# Allegro board ad-fmcmotcon1-ebz_layout.brd (continued)
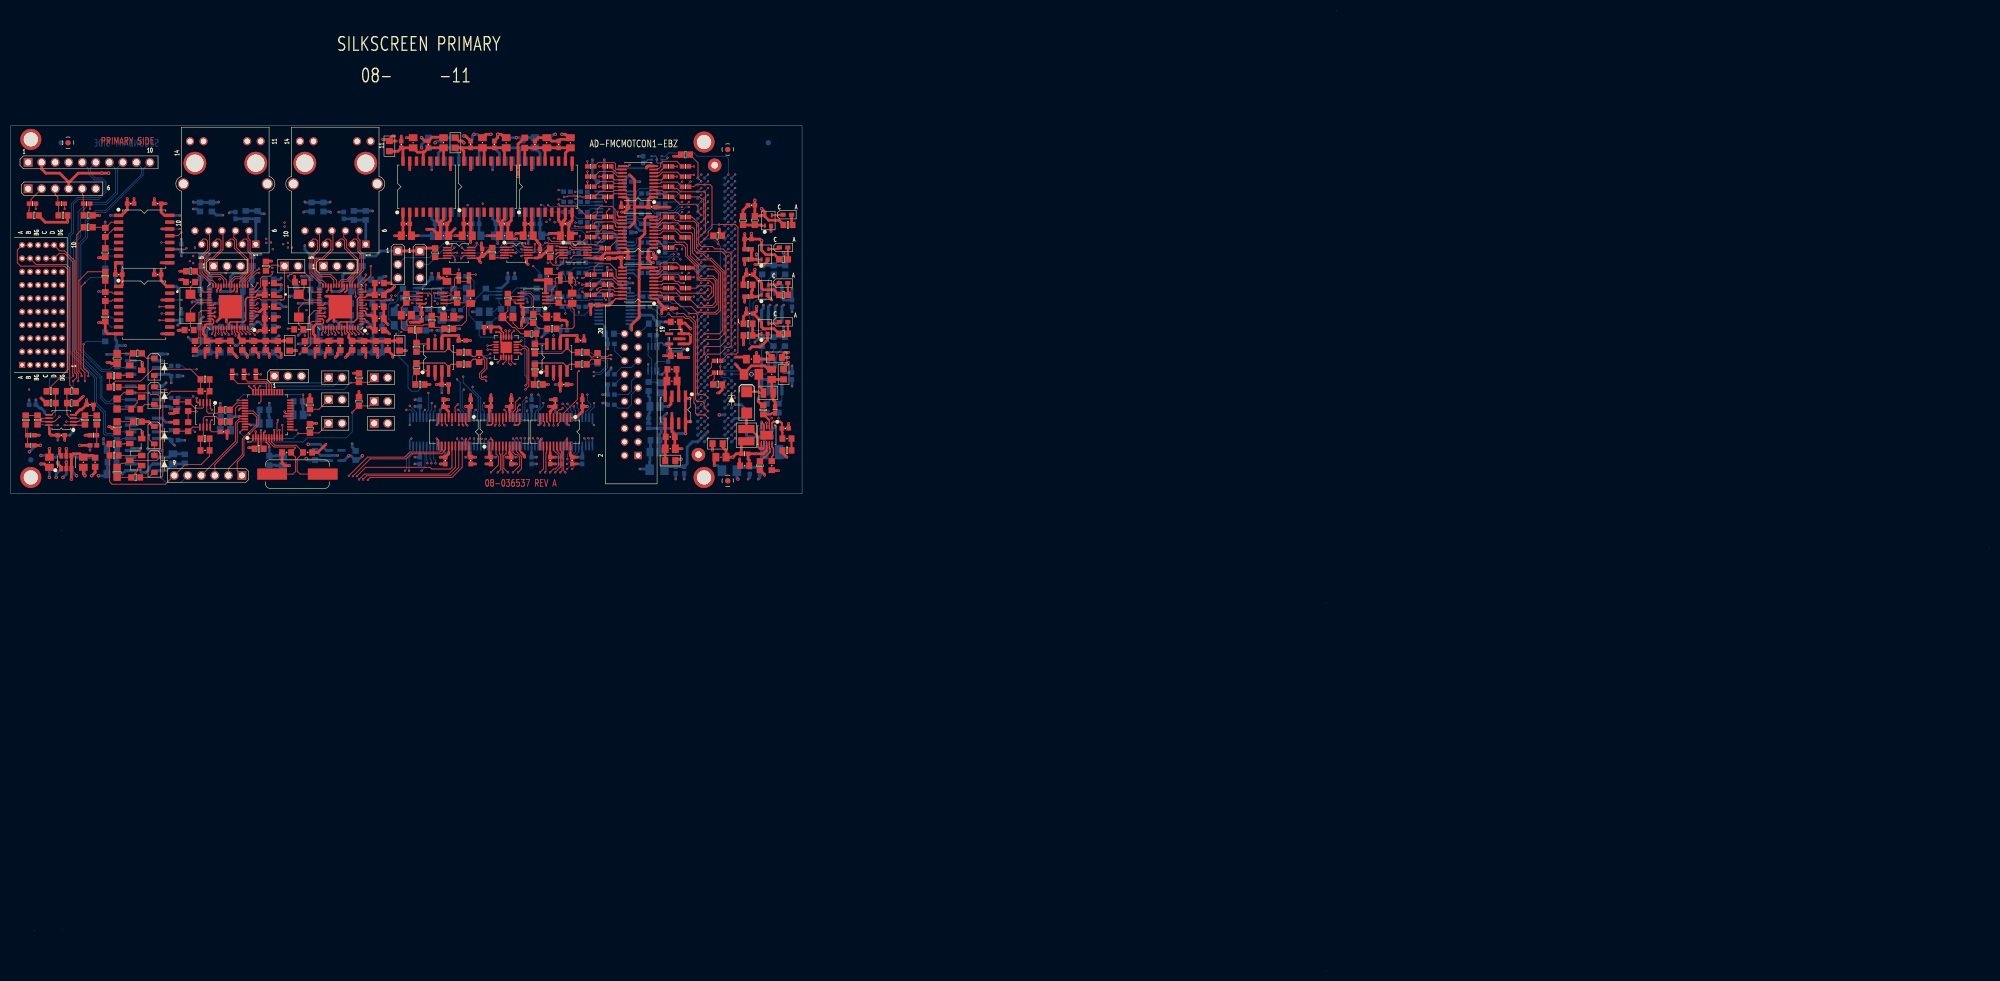
[diagram p0: board, top side]
## Routing (per net, layer and track width the routed paths; a pad name or vN(x,y) marks a point on that pad's centre or on a via; arc(x,y) is an arc through that point) (continued)
FMC_SCL: length 31
  BOTTOM w0.152: P1.C30 141.61,111.98 142.21,112.59 U27.6 142.21,114.81 142.53,115.13 142.53,115.76 143.17,116.4 R192.2 143.12,117.26 142.21,118.16 142.21,119.57 141.58,120.21 139.67,120.21 139.36,120.52 139.36,125.29 139.99,125.92 141.62,125.92 142.21,126.52 U32.6 142.21,129.76 143.18,130.72 R12.2
FMC_SDA: length 32.6
  BOTTOM w0.152: R26.2 140.94,130.59 U32.5 140.94,127.04 140.46,126.56 139.04,126.56 138.72,126.24 138.72,117.67 139.13,117.26 R196.2 141.01,116.5 140.94,116.43 U27.5 140.94,112.86 140.67,112.59 133.64,112.59 133.32,112.27 133.32,111.63 133.64,111.32 134.71,111.32 P1.C31
FMC_SENSOR_A: length 19.2
  TOP w0.152: R18.1 124.16,135.76 124.75,136.36 126.06,136.36 126.67,135.75 126.67,134.18 127.48,133.38 127.49,133.38 127.76,133.1 127.76,133.09 128.43,132.42 128.44,132.42 128.83,132.04 128.83,130.1 129.29,129.63 131.09,129.63 131.92,128.8 131.92,126.74 131.1,125.92 130.32,125.92 v1(129.63,126.62)
  BOTTOM w0.152: P1.H19 v1(129.63,126.62)
FMC_SENSOR_B: length 21.8
  TOP w0.152: v1(129.63,125.35) 130.1,124.88 131.65,124.88 132.25,125.49 132.25,129.53 131.83,129.96 129.43,129.96 129.16,130.23 129.16,132.17 128.58,132.75 128.56,132.75 127,134.32 127,136.25 126.47,136.78 125.04,136.78 124.16,137.67 R5.1
  BOTTOM w0.152: P1.H20 v1(129.63,125.35)
FMC_SENSOR_C: length 22.6
  TOP w0.152: v1(129.63,122.81) 130.1,123.28 132.52,123.28 133.25,124 133.25,130.95 131.92,132.27 129.58,132.27 127.61,134.24 127.61,137.29 127.23,137.67
  BOTTOM w0.152: P1.H22 v1(129.63,122.81)
FMC_SPI1_MISO: length 7.5
  TOP w0.152: v1(130.9,126.62) 131.59,127.32 131.59,128.29 131.31,128.57 129.13,128.57 128.7,128.14 R58.1
  BOTTOM w0.152: P1.G19 v1(130.9,126.62)
FMC_SPI1_MOSI: length 8.4
  TOP w0.152: v1(130.9,127.89) 130.2,127.19 125.7,127.19 125.46,127.43 125.45,127.43 125.27,127.61 125.27,127.62 124.75,128.14 R54.1
  BOTTOM w0.152: P1.G18 v1(130.9,127.89)
FMC_SPI1_SCK: length 18.7
  TOP w0.152: v1(126.34,129.1) 125.7,129.1 125.39,129.41 124.75,129.41 R55.1
  L4_SIGV w0.152: v1(130.9,116.46) 130.13,117.22 129.01,117.22 128.71,117.51 128.71,123.23 126.97,124.97 126.97,128.46 v1(126.34,129.1)
  BOTTOM w0.152: P1.G27 v1(130.9,116.46)
FMC_SPI1_SEL1_RDC: length 20.2
  TOP w0.152: R59.1 127.44,130.19 v1(128.23,130.19)
  L4_SIGV w0.152: v1(130.9,115.19) 131.42,115.71 131.42,117.98 131.17,118.24 129.55,118.24 129.04,118.75 129.04,123.53 127.29,125.29 127.29,129.26 v1(128.23,130.19)
  BOTTOM w0.152: P1.G28 v1(130.9,115.19)
FMC_VBUS_CLK: length 16.9
  TOP w0.152: v1(129.63,136.78) 130.91,138.07 130.91,138.75 131.63,139.47 131.63,147.23 131.29,147.57 128.63,147.57 128.24,147.19 R15.1
  BOTTOM w0.152: P1.H11 v1(129.63,136.78)
FMC_VBUS_DAT: length 32.7
  TOP w0.152: R17.1 v1(128.24,151)
  L4_SIGV w0.152: v1(128.24,151) 127.61,151.64 123.48,151.64 122.53,150.69 122.53,141.16 127.93,135.76 127.93,133.22 128.81,132.34 128.81,129.98 v1(129.63,129.16)
  BOTTOM w0.152: P1.H17 v1(129.63,129.16)
GPI1: length 57.6
  TOP w0.152: R45.1 111.38,139.64 110.57,138.82 108.72,138.82 108.58,138.68 v1(108.18,138.68) ; U6.17 v1(91.73,102.36)
  L4_SIGV w0.152: v1(91.73,102.36) 93.26,103.89 99.84,103.89 103.46,107.51 104.75,107.51 107.61,110.36 107.61,112.9 109.7,115 109.7,118.87 113.96,123.13 113.96,131.38 109.47,135.87 109.47,137.26 108.47,138.27 108.47,138.4 v1(108.18,138.68)
GPI1_ISO: length 112.9
  TOP w0.152: U6.4 91.73,97.03 91.92,96.84 91.92,94.04 v1(91.41,93.54)
  L5_SIGH w0.152: v1(91.41,93.54) 91.1,93.22 91.1,92.9 89.83,91.63 68.24,91.63 66.4,93.47 47.98,93.47 46.01,95.44 24.8,95.44 20.8,99.44 20.8,115.89 16.8,119.89 7.98,119.89 P2.C4
GPI2: length 59.4
  TOP w0.152: R33.1 106.6,139.64 106.49,139.75 v1(105.89,139.75) ; v1(92.68,102.36) 92.37,102.68 U6.16
  L4_SIGV w0.152: v1(92.68,102.36) 93.7,103.38 99.8,103.38 103.48,107.06 104.94,107.06 107.92,110.05 107.92,112.59 110.08,114.74 110.08,118.75 114.27,122.94 114.27,131.7 113,132.97 113,134.24 108.94,138.3 108.94,138.68 107.8,139.83 106.38,139.83 106.3,139.75 v1(105.89,139.75)
GPI2_ISO: length 112.5
  TOP w0.152: v1(92.37,93.54) 92.37,93.93 92.24,94.06 92.24,97.03 92.37,97.16 U6.5
  L5_SIGH w0.152: P2.D4 9.16,120.21 16.92,120.21 21.18,115.94 21.18,99.69 25.12,95.76 46.33,95.76 48.23,93.85 66.65,93.85 68.55,91.95 89.51,91.95 90.78,93.22 90.78,93.85 91.1,94.17 91.73,94.17 v1(92.37,93.54)
GPI3: length 28.2
  TOP w0.152: v1(92.68,105.28) 93,104.97 U6.15
  L4_SIGV w0.152: v1(104.08,125.64) 102.53,124.09 102.53,117.16 94.46,109.09 94.46,106.43 93.32,105.28 v1(92.68,105.28)
  BOTTOM w0.152: v1(104.08,125.64) 103.99,125.73 103.99,126.11 103.54,126.56 R244.1
GPI3_ISO: length 119.6
  TOP w0.152: U6.6 93,97.09 92.56,96.65 92.56,94.3 v1(93.32,93.54)
  L5_SIGH w0.152: v1(93.32,93.54) 92.22,94.63 90.29,94.63 88.24,92.58 69.19,92.58 67.16,94.61 53.51,94.61 52.68,95.44 47.92,95.44 46.96,96.39 26.64,96.39 21.95,101.09 21.95,116.13 20.29,117.78 20.29,123.7 19.02,124.97 7.9,124.97 P2.C6
GPI4: length 26.1
  TOP w0.152: v1(95.54,107.51) 94.72,106.68 94.72,105.32 94.27,104.88 U6.13
  L4_SIGV w0.152: v1(95.54,107.51) 96.4,108.36 96.72,108.36 103.8,115.44 103.8,119.89 106.65,122.75 v1(106.65,123.57)
  BOTTOM w0.152: R249.1 v1(106.65,123.57)
GPI4_ISO: length 119.7
  TOP w0.152: U6.8 94.27,97.32 94.69,96.9 95.03,96.9 95.54,96.39 95.54,94.81 v1(94.27,93.54)
  L5_SIGH w0.152: P2.D6 9.08,125.29 19.34,125.29 22.33,122.3 22.33,102.11 27.72,96.71 47.28,96.71 48.23,95.76 53,95.76 53.76,95 67.41,95 69.51,92.9 87.6,92.9 90.05,95.35 92.46,95.35 v1(94.27,93.54)
GPI5: length 25.5
  TOP w0.152: v1(95.54,106.24) 95.1,105.79 95.1,105.07 94.91,104.88 U6.12
  L4_SIGV w0.152: v1(104.11,123.38) 102.84,122.11 102.84,116.84 94.84,108.84 94.84,106.93 v1(95.54,106.24)
  BOTTOM w0.152: R245.1 104.11,124.02 v1(104.11,123.38)
GPI5_ISO: length 122.7
  TOP w0.152: v1(95.22,93.54) 95.86,94.17 95.86,96.52 94.91,97.47 U6.9
  L5_SIGH w0.152: v1(95.22,93.54) 92.91,95.85 89.29,95.85 86.65,93.22 69.82,93.22 67.67,95.38 54.01,95.38 53.31,96.08 48.55,96.08 47.6,97.03 28.04,97.03 22.71,102.36 22.71,122.36 18.58,126.49 15.21,126.49 14.2,127.51 7.86,127.51 P2.C7
GPO1: length 68.5
  TOP w0.152: v1(102.72,102.36) 102.72,102.64 103.16,103.08 U44.4 ; R46.1 111.86,141.99 111.86,142.49 v1(112.37,143)
  L4_SIGV w0.152: v1(112.37,143) 112.37,142.24 119.23,135.38 119.23,133.03 121.26,131 121.26,121.79 122.21,120.84 122.21,117.03 121.26,116.08 121.26,103.7 118.08,100.52 113.64,100.52 111.04,103.12 103.48,103.12 v1(102.72,102.36)
GPO1_ISO: length 120.7
  TOP w0.152: v1(103.16,93.54) 103.48,93.85 103.48,97.41 103.16,97.73 U44.17
  L4_SIGV w0.152: v1(103.16,93.54) 100.62,91 22.39,91 16.61,96.77 16.61,111.25 15.6,112.27 8.1,112.27 P2.C1
GPO2: length 71.3
  TOP w0.152: v1(103.61,105.59) 103.32,105.3 102.95,105.3 102.53,104.88 U44.5 ; R34.1 108.2,141.54 106.14,143.6 103.13,143.6 v1(102.84,143.89)
  L4_SIGV w0.152: v1(102.84,143.89) 108.05,143.89 117.58,134.37 117.58,132.14 119.35,130.37 119.35,114.49 118.08,113.22 114.27,113.22 113.96,112.9 113.96,107.82 110.78,104.65 104.55,104.65 v1(103.61,105.59)
GPO2_ISO: length 118.3
  TOP w0.152: v1(102.21,93.54) 103.16,94.49 103.16,96.96 102.72,97.41 102.72,97.66 102.53,97.85 U44.16
  L4_SIGV w0.152: v1(102.21,93.54) 99.99,91.31 22.71,91.31 16.99,97.03 16.99,111.38 15.72,112.65 9.22,112.65 P2.D1
GPO3: length 71.6
  TOP w0.152: U44.6 v1(101.89,102.36)
  L4_SIGV w0.152: v1(101.89,102.36) 103.04,103.5 112.56,103.5 113,103.06 118.08,103.06 120.94,105.92 120.94,116.4 121.89,117.35 121.89,120.52 120.94,121.48 120.94,130.68 118.85,132.78 118.85,135 107.61,146.24 v1(105.98,146.24)
  BOTTOM w0.152: R227.1 v1(105.98,146.24)
GPO3_ISO: length 121.1
  TOP w0.152: U44.15 101.89,97.73 102.84,96.77 102.84,94.81 102.21,94.17 101.89,94.17 v1(101.26,93.54)
  L4_SIGV w0.152: P2.C2 8.06,114.81 15.98,114.81 19.15,111.63 19.15,95.63 23.15,91.63 99.35,91.63 v1(101.26,93.54)
GPO4: length 73.4
  TOP w0.152: v1(101.07,102.36) 101.07,102.64 100.62,103.08 U44.8
  L4_SIGV w0.152: v1(102.84,146.56) 104.24,146.56 105.19,145.61 107.61,145.61 118.47,134.75 118.47,132.52 120.62,130.37 120.62,106.87 119.35,105.6 114.27,105.6 112.56,103.89 102.59,103.89 v1(101.07,102.36)
  BOTTOM w0.152: v1(102.84,146.56) 103.48,146.56 R226.1
GPO4_ISO: length 116.4
  TOP w0.152: v1(100.3,93.54) 100.46,93.69 100.46,97.19 100.62,97.35 U44.13
  L4_SIGV w0.152: P2.D2 9.18,115.19 16.1,115.19 19.53,111.76 19.53,97.28 22.58,94.23 44.04,94.23 44.93,93.34 68.11,93.34 69.51,91.95 98.72,91.95 v1(100.3,93.54)
GPO5: length 68
  TOP w0.152: v1(100.18,102.36) 100.18,103 99.99,103.19 U44.9
  L4_SIGV w0.152: v1(106.02,144.91) 107.67,144.91 118.08,134.49 118.08,132.27 120.31,130.05 120.31,109.73 118.72,108.14 114.91,108.14 111.04,104.27 102.08,104.27 v1(100.18,102.36)
  BOTTOM w0.152: v1(106.02,144.91) 106.4,144.91 R228.1
GPO5_ISO: length 119.1
  TOP w0.152: v1(99.35,93.54) 99.99,94.17 U44.12
  L4_SIGV w0.152: P2.C3 8.02,117.35 11.28,117.35 12.29,116.33 15.98,116.33 17.63,114.68 19.28,114.68 19.91,114.05 19.91,97.54 22.83,94.61 44.3,94.61 45.19,93.73 68.36,93.73 69.82,92.27 98.08,92.27 v1(99.35,93.54)
GPO6: length 68.7
  L4_SIGV w0.152: v1(102.84,144.8) 102.21,144.8 101.96,144.55 101.96,143.51 102.21,143.26 108.05,143.26 117.2,134.11 117.2,131.89 119.04,130.05 119.04,116.4 118.4,115.76 114.21,115.76 113.51,115.06 113.51,108.01 110.53,105.03 105,105.03 v1(103.61,106.43)
  BOTTOM w0.152: R241.1 103.33,144.8 v1(102.84,144.8) ; U48.3 104.75,104.97 104.43,105.28 104.43,105.6 v1(103.61,106.43)
GPO6_ISO: length 131.9
  L4_SIGV w0.152: P2.A5 3.4,124.97 18.71,124.97 22.2,121.48 22.2,99.25 24.55,96.9 57.25,96.9 58.39,95.76 69.82,95.76 70.46,95.12 74.9,95.12 75.54,94.49 76.17,94.49 76.49,94.81 77.51,94.81 77.7,94.61 97.51,94.61 98.62,95.72 104.21,95.72 v1(104.5,96.01)
  BOTTOM w0.152: v1(104.5,96.01) 104.5,96.9 104.75,97.16 U48.18
GPO7: length 63.1
  L4_SIGV w0.152: v1(100.89,143.71) 100.89,142.8 101.32,142.37 107.67,142.37 115.42,134.62 115.42,122.43 111.1,118.11 111.1,110.36 106.65,105.92 106.34,105.92 105.83,106.43 v1(104.5,106.43)
  BOTTOM w0.152: U48.4 105.38,104.9 105.13,105.16 105.13,105.79 v1(104.5,106.43) ; v1(100.89,143.71) 101.18,143.43 105.94,143.43 106.93,142.43 R246.1
GPO7_ISO: length 131.2
  L4_SIGV w0.152: v1(104.43,95.12) 103.8,94.49 98.08,94.49 97.83,94.23 77.57,94.23 77.32,94.49 76.81,94.49 76.49,94.17 75.22,94.17 74.65,94.74 70.33,94.74 69.63,95.44 54.52,95.44 53.44,96.52 24.3,96.52 21.82,99 21.82,115.7 19.98,117.54 19.98,123.06 18.39,124.65 4.58,124.65 P2.B5
  BOTTOM w0.152: v1(104.43,95.12) 105.07,95.76 105.07,97.13 105.38,97.45 U48.17
GPO8: length 65
  L4_SIGV w0.152: v1(99.54,143.76) 99.92,144.14 101.45,144.14 101.57,144.02 101.57,143.26 101.88,142.95 107.72,142.95 116.69,133.99 116.69,131.76 117.39,131.06 117.39,123.25 113.64,119.51 113.64,117.09 111.86,115.32 111.86,109.85 110.15,108.14 110.15,106.24 109.32,105.41 106.21,105.41 v1(105.7,105.92)
  BOTTOM w0.152: v1(105.7,105.92) 105.7,105.47 106.02,105.16 U48.5 ; v1(99.54,143.76) 99.95,143.76 101.28,142.43 R242.1
GPO8_ISO: length 139.8
  L4_SIGV w0.152: v1(104.43,94.17) 105.07,93.54 105.64,93.54 105.89,93.79 105.89,96.84 105.38,97.35 98.08,97.35 97.64,96.9 67.54,96.9 66.78,97.66 30.45,97.66 29.18,98.93 24.42,98.93 23.09,100.27 23.09,121.86 18.2,126.75 15.09,126.75 14.33,127.51 3.44,127.51 P2.A6
  BOTTOM w0.152: U48.16 106.02,97.45 105.38,96.81 105.38,95.12 v1(104.43,94.17)
GPO9: length 46.1
  L4_SIGV w0.152: v1(106.34,106.55) 106.34,107.82 110.46,111.95 110.46,118.62 114.59,122.75 114.59,132.02 113.51,133.1 113.51,135.25 108.31,140.46 v1(106.02,140.46)
  BOTTOM w0.152: v1(106.02,140.46) 106.91,140.46 R247.1 ; U48.6 106.65,105.36 106.34,105.68 v1(106.34,106.55)
GPO9_ISO: length 135.6
  L4_SIGV w0.152: P2.B6 4.62,127.19 13.94,127.19 14.9,126.24 18.07,126.24 22.71,121.6 22.71,100.01 24.1,98.62 28.99,98.62 30.33,97.28 66.4,97.28 67.6,96.08 70.02,96.08 70.33,95.76 97.26,95.76 98.4,96.9 104.88,96.9 105.38,96.39 v1(105.38,94.17)
  BOTTOM w0.152: U48.15 106.65,97.45 105.7,96.49 105.7,94.49 v1(105.38,94.17)
GPO10: length 51.8
  L4_SIGV w0.152: v1(102.08,140.51) 102.73,141.16 108.24,141.16 113.89,135.51 113.89,134.49 115.04,133.35 115.04,122.68 110.78,118.43 110.78,110.68 v1(108.24,108.14)
  BOTTOM w0.152: v1(108.24,108.14) 108.24,107 108.88,106.36 108.88,105.82 107.92,104.86 U48.8 ; R243.1 102.97,140.53 102.96,140.51 v1(102.08,140.51)
GPO10_ISO: length 135.8
  L4_SIGV w0.152: P2.A7 3.48,130.05 16.48,130.05 24.1,122.43 24.1,100.52 25.06,99.57 31.85,99.57 32.8,98.62 42.2,98.62 43.41,99.82 47.03,99.82 47.28,99.57 65.89,99.57 67.79,97.66 97.13,97.66 97.76,98.3 106.02,98.3 v1(107.67,99.95)
  BOTTOM w0.152: U48.13 107.92,99.69 v1(107.67,99.95)
GPO11: length 41.6
  L4_SIGV w0.152: v1(109.51,106.55) 109.83,106.87 109.83,108.46 111.48,110.11 111.48,115.44 112.75,116.71 112.75,119.13 116.81,123.19 116.81,128.27 116.18,128.91 v1(116.18,130)
  BOTTOM w0.152: R248.1 106.65,127.83 106.97,128.14 107.42,128.14 109.27,130 v1(116.18,130) ; v1(109.51,106.55) 109.51,105.82 108.56,104.86 U48.9
GPO11_ISO: length 134.7
  L4_SIGV w0.152: v1(108.43,99.95) 106.46,97.98 98.16,97.98 97.46,97.28 67.67,97.28 66.9,98.04 51.59,98.04 50.82,98.81 43.03,98.81 42.27,98.04 30.63,98.04 29.43,99.25 24.74,99.25 23.72,100.27 23.72,122.17 16.17,129.73 4.66,129.73 P2.B7
  BOTTOM w0.152: v1(108.43,99.95) 108.56,99.82 U48.12
HALL_A: length 53.2
  TOP w0.152: v1(105.03,135.69) 105.32,135.4 106.95,135.4 107.04,135.31 U20.9
  L4_SIGV w0.152: v1(105.03,135.69) 104.06,136.65 102.08,136.65 99.03,133.6 99.03,132.33 88.24,121.54 88.24,108.78 86.91,107.44 83.92,107.44 82.91,106.43 82.91,105.66 82.65,105.41 81.76,105.41 81.25,105.92 v1(79.67,105.92)
  BOTTOM w0.152: U41.18 79.35,104.86 79.67,105.18 v1(79.67,105.92)
HALL_A_IN: length 115.6
  TOP w0.152: R181.2 v1(4.74,143)
  L5_SIGH w0.152: v1(4.74,143) 7.05,143 7.62,142.43 11.72,142.43 23.09,131.06 23.09,104.27 29.95,97.41 71.22,97.41 74.27,94.36 78.84,94.36 v1(79.73,95.25)
  BOTTOM w0.152: U41.3 79.35,96.15 79.73,95.77 v1(79.73,95.25)
HALL_B: length 43.8
  TOP w0.152: U25.9 95.99,135.31 v1(95.86,135.45)
  L4_SIGV w0.152: v1(95.86,135.45) 96.49,134.81 96.49,130.3 87.86,121.67 87.86,109.92 86.91,108.97 85.83,108.97 85.19,108.33 84.3,108.33 82.52,106.55 v1(79.03,106.55)
  BOTTOM w0.152: U41.17 78.71,104.97 79.03,105.28 v1(79.03,106.55)
HALL_B_IN: length 109.6
  TOP w0.152: R182.2 v1(10.13,143)
  L5_SIGH w0.152: v1(10.13,143) 11.79,143 23.47,131.32 23.47,104.65 30.14,97.98 42.84,97.98 43.54,98.68 46.96,98.68 47.85,97.79 71.35,97.79 73.51,95.63 77.06,95.63 77.95,94.74 78.46,94.74 v1(78.97,95.25)
  BOTTOM w0.152: U41.4 78.71,96.02 78.97,95.77 v1(78.97,95.25)
HALL_C: length 41.1
  TOP w0.152: v1(84.68,135.76) 85.19,135.25 85.39,135.25 85.4,135.25 U21.9
  L4_SIGV w0.152: v1(78.4,108.46) 79.03,109.09 82.52,109.09 83.16,109.73 83.16,128.46 81.25,130.37 81.25,133.86 82.21,134.81 83.1,134.81 83.54,135.25 84.18,135.25 v1(84.68,135.76)
  BOTTOM w0.152: v1(78.4,108.46) 78.4,105.22 78.08,104.9 U41.16
HALL_C_IN: length 104.4
  TOP w0.152: R183.2 v1(14.9,143)
  L5_SIGH w0.152: v1(78.21,95.25) 76.37,97.09 72.94,97.09 71.86,98.17 55.09,98.17 54.2,99.06 46.84,99.06 45.82,100.08 41.88,100.08 41.5,100.46 28.42,100.46 23.85,105.03 23.85,131.57 14.9,140.53 v1(14.9,143)
  BOTTOM w0.152: U41.5 78.08,95.91 78.21,95.78 v1(78.21,95.25)
HALL_DIFF_A: length 37.4
  TOP w0.152: v1(102.34,132.97) 102.34,133.73 102.82,134.22 102.95,134.22 103.04,134.31 U20.4
  L4_SIGV w0.152: v1(88.87,106.55) 88.87,106.95 89.67,107.74 89.67,109.25 90.46,110.05 90.46,111.19 97.76,118.49 97.76,125.6 101.7,129.54 101.7,132.33 v1(102.34,132.97)
  BOTTOM w0.152: v1(88.87,106.55) 88.59,106.27 88.59,105.32 88.87,105.03 U42.18
HALL_DIFF_A_ISO: length 61.8
  L5_SIGH w0.152: v1(89.15,99.82) 86.87,97.54 73.51,97.54 71.6,99.44 47.09,99.44 46.01,100.52 41.88,100.52 41.25,101.16 v1(34.58,101.16)
  BOTTOM w0.152: U42.3 88.87,99.54 v1(89.15,99.82) ; R141.1 34.26,101.47 v1(34.58,101.16)
HALL_DIFF_A_N: length 66.7
  BOTTOM w0.152: 13.44,151.76 14.58,150.62 14.58,149.6 15.72,148.46 16.99,148.46 17.5,147.95 17.5,146.24 16.42,145.16 12.55,145.16 11.4,144.02 11.4,138.68 10.9,138.18 10.9,116.15 15.72,111.33 15.72,106.43 17.44,104.71 17.44,100.84 17.75,100.52 19.08,100.52 19.93,99.67 R146.2 20.79,99.67 21.01,99.89 U22.1
HALL_DIFF_A_P: length 65.9
  BOTTOM w0.152: U22.2 20.61,101.16 20.4,101.37 R146.1 19.88,101.37 19.34,100.84 18.01,100.84 17.75,101.09 17.75,104.9 16.13,106.53 16.13,111.35 11.28,116.2 11.28,138.05 11.79,138.56 11.79,143.93 12.64,144.78 16.48,144.78 17.88,146.18 17.88,148.08 17.12,148.84 15.85,148.84 14.96,149.73 14.96,150.75 P8.6
HALL_DIFF_B: length 35.3
  TOP w0.152: U25.4 93.82,134.31 v1(93.95,134.18)
  L4_SIGV w0.152: v1(93.95,134.18) 93.95,129.41 86.99,122.45 86.99,109.88 v1(86.72,109.6)
  BOTTOM w0.152: v1(86.72,109.6) 86.72,109.09 88.24,107.57 U42.17
HALL_DIFF_B_ISO: length 66.9
  L5_SIGH w0.152: v1(88.4,99.84) 86.51,97.95 73.67,97.95 71.79,99.82 53.82,99.82 52.55,101.09 52.55,106.68 51.16,108.08 34.52,108.08 v1(34.26,107.82)
  BOTTOM w0.152: v1(88.4,99.84) 88.24,99.68 U42.4 ; R142.1 33.95,107.51 v1(34.26,107.82)
HALL_DIFF_B_N: length 58.6
  BOTTOM w0.152: 18.52,151.76 19.66,150.62 19.66,146.05 17.88,144.27 14.45,144.27 12.67,142.49 12.67,137.79 11.79,136.91 11.79,116.33 16.8,111.32 16.8,107.51 17.88,106.43 19.28,106.43 19.98,105.73 R147.2 20.08,105.7 20.29,105.92 U23.1
HALL_DIFF_B_P: length 57.8
  BOTTOM w0.152: P8.8 20.04,150.75 20.04,145.92 18.01,143.89 14.71,143.89 13.06,142.24 13.06,137.67 12.17,136.78 12.17,116.46 17.12,111.51 17.12,107.7 18,106.81 18.57,106.81 19.16,107.4 R147.1 20.4,107.4 20.61,107.19 U23.2
HALL_DIFF_C: length 35
  TOP w0.152: v1(83.41,133.35) 83.41,133.77 82.94,134.25 U21.4
  L4_SIGV w0.152: v1(84.94,111.51) 84.94,121.28 84.11,122.11 84.11,129.41 82.21,131.32 82.21,133.03 82.52,133.35 v1(83.41,133.35)
  BOTTOM w0.152: v1(84.94,111.51) 84.94,110.36 87.76,107.54 87.76,105.03 87.6,104.88 U42.16
HALL_DIFF_C_ISO: length 68.7
  L5_SIGH w0.152: v1(34.9,112.9) 38.71,109.09 53.44,109.09 54.46,108.08 54.46,101.22 55.47,100.2 72.05,100.2 73.95,98.3 86.21,98.3 v1(87.73,99.82)
  BOTTOM w0.152: v1(34.9,112.9) 32.87,112.9 32.23,113.54 R143.1 ; U42.5 87.6,99.69 v1(87.73,99.82)
HALL_DIFF_C_N: length 53.3
  BOTTOM w0.152: U24.1 20.29,111.95 20.08,111.73 R148.2 19.93,111.73 19.14,112.52 16.99,112.52 12.8,116.71 12.8,136.53 14.07,137.8 14.07,140.84 15.91,142.68 17.75,142.68 24.55,149.48 24.55,150.81 P8.9
HALL_DIFF_C_P: length 52.6
  BOTTOM w0.152: P8.10 24.87,150.5 24.87,149.35 17.88,142.37 16.1,142.37 14.45,140.72 14.45,137.67 13.18,136.4 13.18,116.84 17.12,112.9 18.62,112.9 19.15,113.44 R148.1 20.4,113.44 20.61,113.22 U24.2
IA: length 33.3
  TOP w0.152: R70.1 12.26,108.83 11.09,109.99 11.09,131.95 10.45,132.59 4.78,132.59 P2.B9 P2.A9
IA_BIPOLAR: length 44
  TOP w0.152: R75.2 13.82,102.4 A2.1 v1(10.13,102.4) ; v1(12.67,110.68) 12.67,112.14 12.42,112.39 12.42,138.21 13.73,139.52 R77.1
  L4_SIGV w0.152: v1(12.67,110.68) 8.55,106.55 8.55,103.99 v1(10.13,102.4)
IA_CLK: length 87.3
  TOP w0.152: R40.1 111.42,144.65 v1(111.73,144.34) ; v1(32.04,138.62) 31.41,137.99 U8.13
  L5_SIGH w0.152: v1(32.04,138.62) 32.36,138.94 32.36,140.53 33.31,141.48 38.65,141.48 40.04,142.88 60.93,142.88 61.44,143.38 85.06,143.38 85.32,143.13 97.26,143.13 97.92,142.47 103.43,142.47 105.05,144.09 107.87,144.09 108.12,144.34 v1(111.73,144.34)
IA_DAT: length 120.1
  TOP w0.152: R42.1 v1(110.46,149.1) ; v1(106.02,128.78) 106.02,129.67 105.77,129.92 105.77,130.05 105.13,130.68 R81.1 ; v1(32.99,135.64) 32.8,135.45 U8.11
  L4_SIGV w0.152: v1(106.02,128.78) 105.38,129.41 105.38,130.68 105.69,130.99 107.09,130.99 108.69,132.59 108.69,137.41 106.78,139.32 102.21,139.32 101.19,140.34 v1(101.19,141.02)
  L5_SIGH w0.152: v1(32.99,135.64) 32.99,136.03 33.12,136.16 33.12,140.02 33.95,140.84 50.27,140.84 51,141.58 69.62,141.58 70.47,142.43 96.3,142.43 97.71,141.02 v1(101.19,141.02) 101.9,141.73 105.26,141.73 105.89,142.37 111.04,142.37 113,144.34 113,146.56 v1(110.46,149.1)
IB: length 39.8
  TOP w0.152: P2.B10 P2.A10 1.24,135.31 1.24,132.91 1.88,132.27 10.13,132.27 10.77,131.64 10.77,112.85 6.74,108.83 R72.1
IB_BIPOLAR: length 37.8
  TOP w0.152: R76.2 5.58,103.05 A2.7 8.08,103.05 8.08,103.06 8.23,103.06 v1(9.18,104.01) ; R79.1 14.48,131.22 12.8,129.54 12.8,112.55 13.31,112.04 v1(13.31,111.63)
  L4_SIGV w0.152: v1(13.31,111.63) 13.31,110.68 9.18,106.55 v1(9.18,104.01)
IB_CLK: length 100.2
  TOP w0.152: U9.13 v1(27.91,124.65) ; R27.1 106.4,145.29 106.25,145.44 104.55,145.44 104.39,145.29 v1(103.86,145.29)
  L5_SIGH w0.152: v1(103.86,145.29) 103.57,145.58 102.5,145.58 101.83,144.91 33.12,144.91 27.63,139.41 27.63,124.94 v1(27.91,124.65)
IB_DAT: length 122.6
  TOP w0.152: R82.1 v1(87.29,130.68) ; U9.11 v1(27.91,122.11) ; R29.1 v1(108.24,150.05)
  L4_SIGV w0.152: v1(87.29,130.68) 89,132.4 89,137.41 88.62,137.8 v1(88.62,144.02)
  L5_SIGH w0.152: v1(108.24,150.05) 108.69,149.61 108.69,146.81 107.29,145.41 105.51,145.41 103.35,143.26 98.15,143.26 97.38,144.02 v1(88.62,144.02) 88.21,144.02 88.09,144.14 61.19,144.14 60.55,143.51 39.74,143.51 38.34,142.11 32.87,142.11 31.22,140.46 31.22,136.14 30.14,135.06 30.14,125.92 27.6,123.38 27.6,122.43 v1(27.91,122.11)
IT: length 34.7
  TOP w0.152: v1(11.72,111.63) 11.72,112.04 11.66,112.1 11.66,133.1 10.13,134.62 9.05,134.62 P2.D9 P2.C9
  BOTTOM w0.152: R106.1 6.74,108.88 7.28,109.41 7.28,111 7.59,111.32 11.4,111.32 v1(11.72,111.63)
IT_BIPOLAR: length 28.1
  TOP w0.152: v1(14.58,111.63) 14.58,112.27 13.69,113.16 v1(13.69,117.6)
  L4_SIGV w0.152: v1(14.58,111.63) 14.58,110.36 11.09,106.87 11.09,102.11 10.77,101.79 9.45,101.79 v1(8.84,102.4)
  BOTTOM w0.152: R113.1 14.24,118.15 v1(13.69,117.6) ; R111.2 6.2,102.53 6.32,102.4 A3.1 v1(8.84,102.4)
IT_CLK: length 106.8
  TOP w0.152: R41.1 v1(110.46,147.19)
  L5_SIGH w0.152: v1(28.35,123.38) 30.45,125.49 30.45,134.87 32.74,137.16 32.74,140.27 33.63,141.16 50.08,141.16 50.8,141.88 69.47,141.88 70.33,142.75 96.75,142.75 97.38,142.11 105.13,142.11 105.69,142.67 110.9,142.67 112.37,144.14 112.37,145.29 v1(110.46,147.19)
  BOTTOM w0.152: U14.13 v1(28.35,123.38)
IT_DAT: length 121.1
  TOP w0.152: R43.1 v1(110.46,151)
  L4_SIGV w0.152: v1(100.56,140.59) 99.78,139.81 99.78,135.12 98.08,133.41 v1(98.08,132.27)
  L5_SIGH w0.152: v1(32.11,125.92) 32.49,126.3 32.49,134.11 33.5,135.13 33.5,139.76 34.2,140.46 50.39,140.46 51.21,141.27 69.75,141.27 70.59,142.11 96.11,142.11 97.64,140.59 v1(100.56,140.59) 101.55,140.59 102.23,141.27 111.53,141.27 113.51,143.26 113.51,147.95 v1(110.46,151)
  BOTTOM w0.152: v1(98.08,132.27) 99.35,131 R117.1 ; U14.11 v1(32.11,125.92)
LOT: length 17.4
  TOP w0.152: v1(46.77,109.73) 46.48,109.44 U26.34
  BOTTOM w0.152: v1(46.77,109.73) 60.62,109.73 P17.2
M_FAULT: length 46.7
  TOP w0.152: U6.18 91.1,102.55 v1(90.91,102.36)
  L4_SIGV w0.152: v1(106.34,130.05) 106.97,129.41 109.83,129.41 112.69,126.56 112.69,124.02 108.18,119.51 108.18,116.01 103.73,111.57 103.73,109.98 102.84,109.09 101.89,109.09 99.35,106.55 97.56,106.55 95.4,104.39 92.94,104.39 v1(90.91,102.36)
  BOTTOM w0.152: R38.1 106.34,130.68 v1(106.34,130.05)
M_FAULT_ISO: length 113.3
  TOP w0.152: v1(90.14,93.54) 91.54,94.93 91.54,96.52 91.1,96.96 U6.3
  L5_SIGH w0.152: P2.C5 8.07,122.3 17.25,122.3 19.98,119.57 19.98,117.67 21.56,116.08 21.56,99.95 25.44,96.08 46.65,96.08 48.49,94.23 66.9,94.23 68.87,92.27 88.87,92.27 v1(90.14,93.54)
Net_576: length 0.9
  BOTTOM w0.152: 128.96,148.81 v1(129.63,149.48)
Net_577: length 0.9
  BOTTOM w0.152: 130.23,141.19 v1(130.9,141.86)
Net_578: length 0.9
  BOTTOM w0.152: 134.04,143.73 v1(134.71,144.4)
Net_579: length 0.9
  BOTTOM w0.152: 134.04,145 v1(134.71,145.67)
Net_580: length 0.9
  BOTTOM w0.152: 134.04,106.9 v1(134.71,107.57)
Net_581: length 0.9
  BOTTOM w0.152: 134.04,108.17 v1(134.71,108.84)
Net_582: length 0.9
  BOTTOM w0.152: 134.04,113.25 v1(134.71,113.92)
Net_583: length 0.9
  BOTTOM w0.152: 135.31,141.19 v1(135.98,141.86)
Net_584: length 0.9
  BOTTOM w0.152: 135.31,142.46 v1(135.98,143.13)
Net_585: length 0.9
  BOTTOM w0.152: 135.31,146.27 v1(135.98,146.94)
Net_586: length 0.9
  BOTTOM w0.152: 135.31,147.54 v1(135.98,148.21)
PG_C2M: length 17.1
  BOTTOM w0.152: P1.D1 v1(134.71,149.48) 134.71,152.48 134.28,152.91 128.88,152.91 128.24,153.54 123.48,153.54 122.86,152.92 A1.1
PHY1_AVDD_1V8: length 23.5
  TOP w0.254: U28.38 38.09,123.4 v1(38.39,123.7) ; v1(42.39,127.38) 42.5,127.49 U28.19 ; v1(38.71,127.51) 38.71,127.83 39,128.12 U28.26 ; v1(46.33,123.06) 45.67,122.4 U28.3
  BOTTOM w0.508: E14.1 47.6,124.17 47.7,124.07 C130.1 C128.1 ; C105.1 C123.1 ; C123.1 C128.1 ; C123.1 C118.1 C99.1 ; C111.1 45.28,120.89 46.18,121.79 v1(46.33,121.79) 46.65,121.79 47.6,120.84 C128.1 ; C132.1 v1(46.33,123.06)
PHY1_AVDD_1V8_OUT: length 5.2
  TOP w0.254: U28.39 38.24,122.9 v1(38.39,122.75)
  BOTTOM w0.508: E14.2 50.51,125.29 51.14,124.65 v1(51.73,124.65) ; E13.2 37,134.18 v1(37.31,134.49)
PHY1_AVDD_3V3: length 24.1
  TOP w0.254: U28.25 39.5,127.98 39.34,127.83 v1(39.34,127.51) ; U28.20 42,127.8 41.71,127.51 v1(41.25,127.51)
  BOTTOM w0.508: C106.1 C100.1 ; C106.1 C112.1 45.28,131.05 45.38,131.15 E3.2 44.04,130.94 41.88,130.94 41.25,130.3 v1(41.25,127.51) v1(39.34,127.51) ; C106.1 C119.1 C124.1
